# Altium PCB clock_core_PCB.PcbDoc (part 3 of 3)
Units mm, origin at the board's own origin, x right, y up, seen from the top; angles counter-clockwise.
Board outline 163.83 x 199.04 mm, 2 copper layers (Top Layer, Bottom Layer), stack 1.571 mm thick; 144 components, 217 nets, 791 pads, 447 vias.
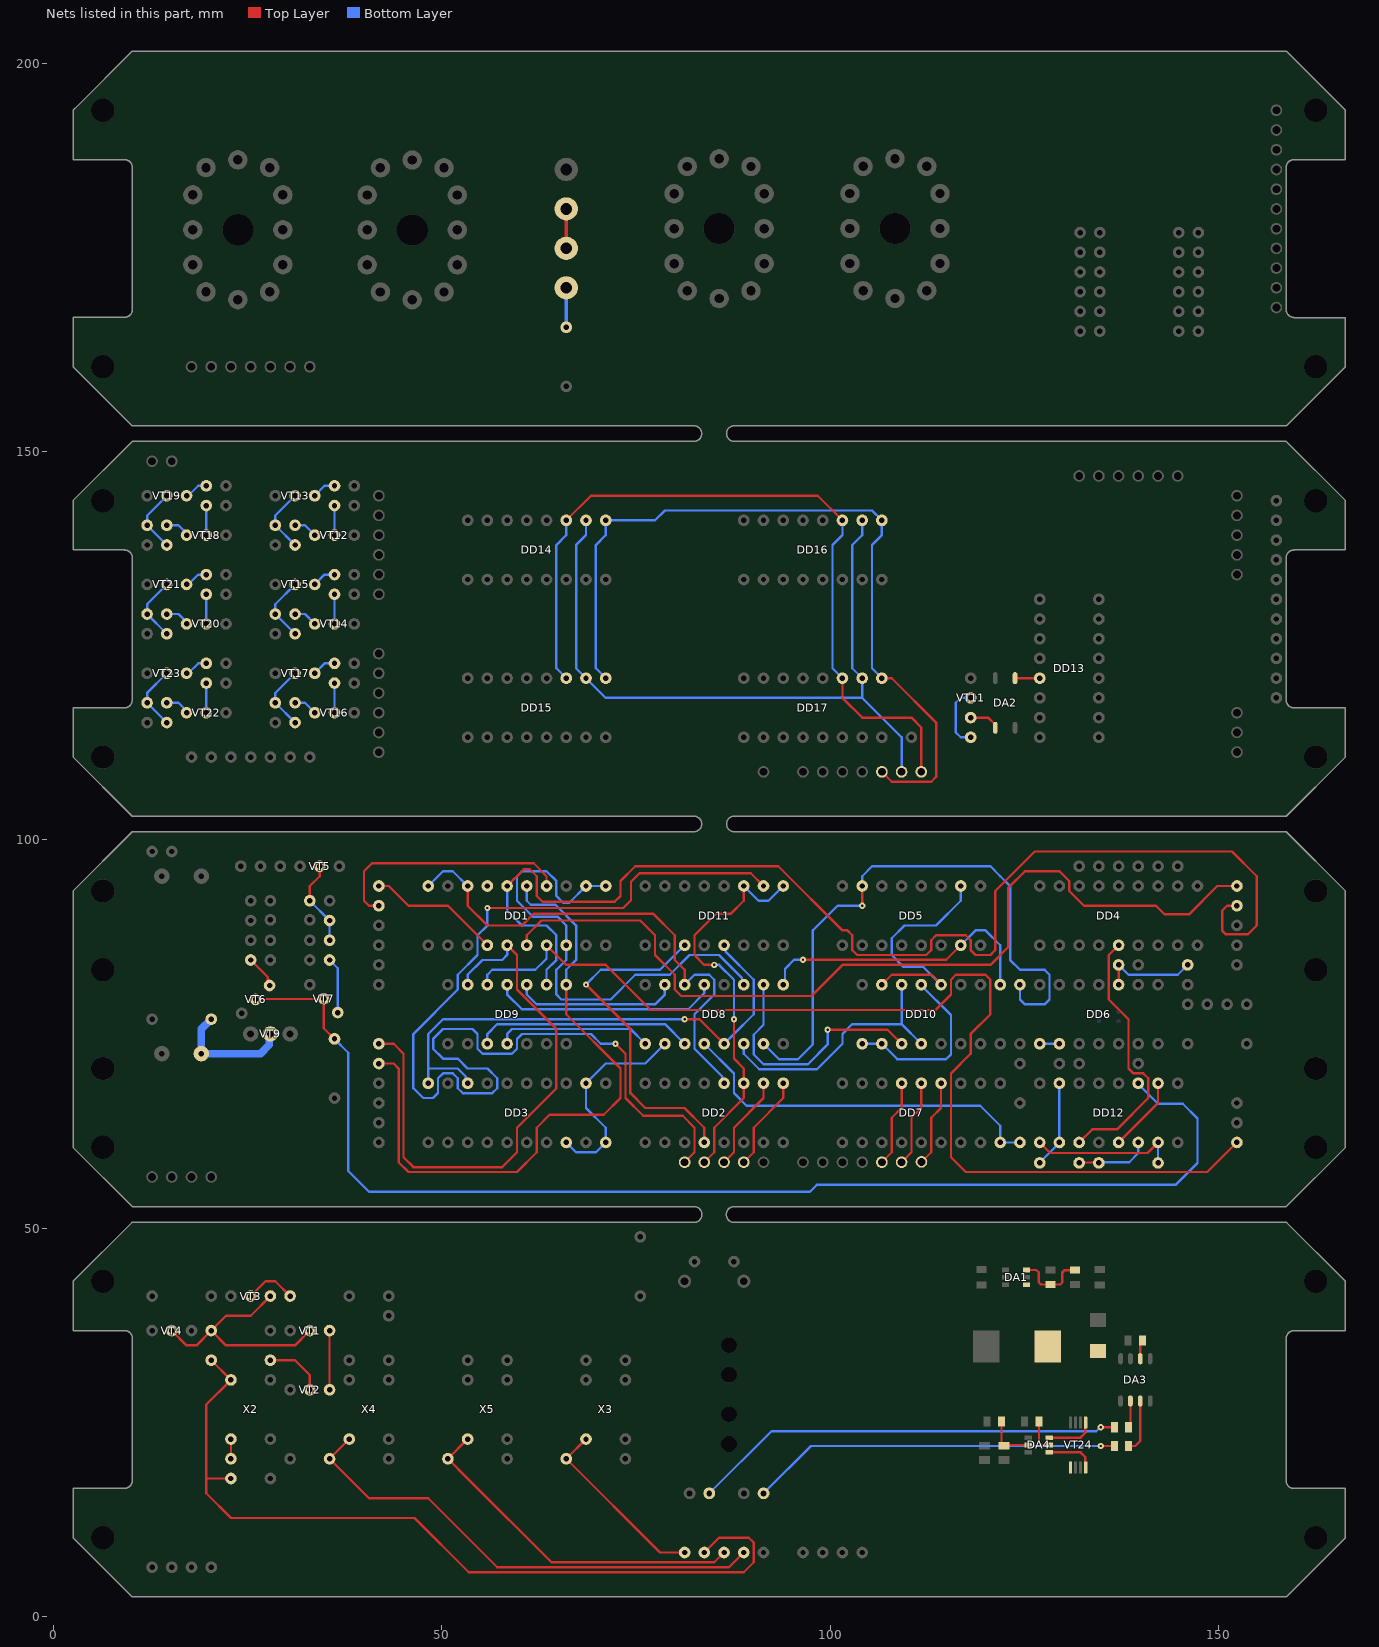
[diagram p3: the nets of this part, all layers, seen from the top]

## Via types
v1: diameter 0.8, hole 0.3, Top Layer to Bottom Layer, tented both sides, 384 vias
v2: diameter 1, hole 0.5, Top Layer to Bottom Layer, tented both sides, 63 vias

## Nets (pads, with @x,y where several pads share a name; then routed paths per layer and width w, separated by ;. In a path a pad name is that pad's centre, name@x,y a point inside that pad or via, vN(x,y) a via of type N, cw(c..) or ccw(c..) an arc to the next point about the centre after c; other vN are vias at no path point) (continued)
NetC13_1: C13.1 R22.1 R26.2 VT5.2 | length 11.1
  Top Layer w0.3: C13.1@33.02,92.17 33.02,94.075 34.29,95.345 VT5.2@34.29,96.615
  Bottom Layer w0.3: C13.1@33.02,92.17 R22.1@35.56,89.63 R26.2@35.56,87.09
NetC15_1: C15.1 DD12.6 R33.2 | length 9.5
  Top Layer w0.3: C15.1@132.08,58.42 132.128,58.468 134.572,58.468 R33.2@134.62,58.515
  Bottom Layer w0.3: R33.2@134.62,58.515 138.525,58.515 139.7,59.69 DD12.6@139.7,61.055
NetC15_2: C15.2 DD12.2 DD12.15 | length 11.3
  Bottom Layer w0.3: C15.2@127,58.42 127,58.468 129.54,61.007 DD12.2@129.54,61.055 DD12.15@129.54,68.675
NetC16_2: C16.2 DA4.5 R64.1 | length 6.4
  Top Layer w0.3: R64.1@122.083,25.146 122.083,22.352 C16.2@122.428,22.007 122.519,22.098 DA4.5@125.523,22.098
NetDA1_1: DA1.1 L1.2 VD1.2
NetDA1_3: DA1.3 R6.1 R7.2 | length 9.3
  Top Layer w0.3: DA1.3@125.302,44.638 126.558,44.638 126.873,44.323 126.873,43.053 127.163,42.763 R7.2@128.397,42.763 129.631,42.763 129.921,43.053 129.921,44.323 130.211,44.613 R6.1@131.572,44.613
NetDA2_1: DA2.1 VT11.1 | length 3.9
  Top Layer w0.3: VT11.1@118.11,115.76 120.364,115.76 121.285,114.839 DA2.1@121.285,114.45
NetDA2_3: DA2.3 DD13.5 | length 6.3
  Top Layer w0.3: DA2.3@123.825,120.8 DD13.5@127,120.8 ; DA2.3@123.825,120.84 DD13.5@127,120.84
NetDA3_2: DA3.2 R62.2 | length 2.5
  Top Layer w0.3: DA3.2@139.954,33.205 139.954,35.27 R62.2@140.244,35.56
NetDA3_6: DA3.6 R60.2 | length 3.7
  Top Layer w0.3: R60.2@138.466,24.184 R60.2@138.466,24.384 138.684,24.602 DA3.6@138.684,27.755
NetDA3_7: DA3.7 R61.2 | length 7.1
  Top Layer w0.3: R61.2@138.466,22.171 R61.2@138.466,21.971 139.319,21.971 139.954,22.606 DA3.7@139.954,27.755
NetDA4_1: DA4.1 VT24.G1 | length 6.2
  Top Layer w0.3: DA4.1@128.223,21.148 132.268,21.148 132.878,20.538 132.878,19.268 VT24.G1@132.928,19.218
NetDA4_2: DA4.2 R63.2 | length 4.2
  Top Layer w0.3: R63.2@126.909,25.146 126.909,22.443 127.254,22.098 DA4.2@128.223,22.098
NetDA4_3: DA4.3 VT24.G2 | length 6.2
  Top Layer w0.3: DA4.3@128.223,23.048 132.268,23.048 132.878,23.658 132.878,24.928 VT24.G2@132.928,24.978
NetDD2_4: DD2.4 DD11.3 | length 44.4
  Top Layer w0.3: v1(68.58,81.375) 74.295,75.66 74.295,67.405 76.2,65.5 81.28,65.5 83.82,62.96 DD2.4@83.82,61.055
  Bottom Layer w0.3: v1(68.58,81.375) 70.485,83.28 78.105,83.28 DD11.3@81.28,86.455
NetDD4_5: DD4.5 DD12.3 | length 34.3
  Top Layer w0.3: DD12.3@132.08,61.055 133.763,62.738 136.938,62.738 140.97,66.77 140.97,69.31 140.335,69.945 139.065,69.945 138.43,70.58 138.43,76.93 135.89,79.47 135.89,85.185 DD4.5@137.16,86.455
NetDD6_1: DD6.1 DD6.2 | length 2.5
  Bottom Layer w0.3: DD6.1@127,73.755 DD6.2@129.54,73.755
NetDD6_10: DD6.10 R12.2 R14.1 | length 12.5
  Top Layer w0.3: DD6.10@137.16,81.375 R14.1@137.16,83.915
  Bottom Layer w0.3: R14.1@137.16,83.915 138.43,82.645 144.78,82.645 R12.2@146.05,83.915
NetDD8_1: DD8.1 DD9.4 | length 20.1
  Bottom Layer w0.3: DD9.4@58.42,73.755 58.42,75.025 59.055,75.66 74.295,75.66 DD8.1@76.2,73.755
NetDD8_3: DD8.3 DD9.3 | length 28.2
  Bottom Layer w0.3: DD9.3@55.88,73.755 55.88,75.025 57.15,76.295 78.74,76.295 DD8.3@81.28,73.755
NetDD8_10: DD8.10 DD10.3 | length 32.8
  Top Layer w0.3: v1(99.695,75.565) 107.41,75.565 DD10.3@109.22,73.755
  Bottom Layer w0.3: DD8.10@91.44,81.375 91.44,76.2 90.17,74.93 90.17,72.39 91.44,71.12 97.155,71.12 99.695,73.66 v1(99.695,75.565)
NetDD8_13: DD8.13 DD9.11 | length 29.4
  Bottom Layer w0.3: DD9.11@58.42,81.375 58.42,80.105 60.325,78.2 81.739,78.2 83.82,80.281 DD8.13@83.82,81.375
NetDD8_15: DD8.15 DD9.10 | length 21.4
  Bottom Layer w0.3: DD9.10@60.96,81.375 60.96,80.105 62.23,78.835 77.47,78.835 78.74,80.105 DD8.15@78.74,81.375
NetDD10_1: DD10.1 DD10.2 DD10.11 | length 23.1
  Bottom Layer w0.3: DD10.1@104.14,73.755 DD10.2@106.68,73.755 108.68,71.755 114.935,71.755 115.57,72.39 115.57,77.47 111.76,81.28 DD10.11@111.76,81.375
NetDD12_1: DD12.1 DD12.7 R33.1 | length 18.9
  Top Layer w0.3: DD12.1@127,61.055 128.365,59.69 140.875,59.69 DD12.7@142.24,61.055
  Bottom Layer w0.3: R33.1@142.24,58.515 DD12.7@142.24,61.055
NetDD12_5: DD12.5 DD12.10 | length 9.7
  Top Layer w0.3: DD12.5@137.16,61.055 142.24,66.135 DD12.10@142.24,68.675
NetDD12_11: DD12.11 R24.2 VT6.2 VT7.2 | length 159.7
  Top Layer w0.3: VT6.2@26.035,79.47 26.089,79.524 34.762,79.524 VT7.2@34.816,79.579 34.816,75.769 R24.2@36.195,74.39
  Bottom Layer w0.3: R24.2@36.195,74.39 37.973,72.612 37.973,57.372 40.64,54.705 97.409,54.705 98.298,55.594 144.494,55.594 147.32,58.42 147.32,64.135 145.415,66.04 142.24,66.04 139.7,68.58 DD12.11@139.7,68.675 DD12.11@139.605,68.675
NetHG3_1: HG3.1 R59.2 | length 5.1
  Bottom Layer w0.5: R59.2@66.04,166.02 HG3.1@66.04,171.1
NetHG3_2: HG3.2 HG4.1 | length 5.1
  Top Layer w0.5: HG3.2@66.04,176.18 HG4.1@66.04,181.26
NetL2_2: L2.2 VD2.2 VT9.2 | length 15.7
  Bottom Layer w1: VD2.2@20.32,76.93 19.05,75.66 L2.2@19.05,72.485 26.67,72.485 27.807,73.622 27.807,74.892 VT9.2@27.94,75.025
NetR1_2: R1.2 X2.4 | length 2.5
  Top Layer w0.3: R1.2@22.86,20.32 X2.4@22.86,22.86
NetR2_2: R2.2 VT2.2 | length 7.8
  Top Layer w0.3: R2.2@27.94,33.02 31.115,33.02 33.02,31.115 VT2.2@33.02,29.21
NetR4_2: R4.2 VT3.2 | length 6.7
  Top Layer w0.3: VT3.2@25.4,41.275 27.305,43.18 28.575,43.18 R4.2@30.48,41.275
NetR5_2: R5.2 VT1.2 VT3.1 VT4.2 | length 30.4
  Top Layer w0.3: VT4.2@15.24,36.83 17.145,34.925 18.415,34.925 R5.2@20.32,36.83 ; VT3.1@27.94,41.275 25.4,38.735 22.225,38.735 R5.2@20.32,36.83 ; VT1.2@33.02,36.83 31.115,34.925 22.225,34.925 R5.2@20.32,36.83
NetR23_1: R23.1 VT6.3 | length 4.3
  Top Layer w0.3: R23.1@25.4,84.55 27.597,82.353 VT6.3@27.597,81.5
  Bottom Layer w0.3: VT6.3@27.597,81.5 VT6.3@27.831,81.266
NetR26_1: R26.1 VT7.3 | length 7.2
  Bottom Layer w0.3: R26.1@35.56,84.55 36.612,83.498 VT7.3@36.612,77.783
NetR34_2: R34.2 VT11.2 | length 8.1
  Bottom Layer w0.3: R34.2@118.11,113.22 116.84,113.22 116.205,113.855 116.205,117.665 116.84,118.3 VT11.2@118.11,118.3
NetR35_2: R35.2 VT12.2 | length 3.8
  Bottom Layer w0.3: VT12.2@36.195,139.255 R35.2@36.195,143.065
NetR36_1: R36.1 R37.2 VT13.2 | length 8.8
  Bottom Layer w0.3: R36.1@31.115,137.35 R36.1@31.115,137.668 ; R36.1@31.115,137.985 R37.2@28.575,140.525 28.575,141.795 VT13.2@31.115,144.335
NetR37_1: R37.1 VT12.3 | length 3.1
  Bottom Layer w0.3: R37.1@31.115,140.525 32.385,140.525 VT12.3@33.655,139.255
NetR38_2: R38.2 VT13.3 | length 3.7
  Bottom Layer w0.3: VT13.3@33.655,144.335 34.925,145.605 R38.2@36.816,145.605
NetR39_2: R39.2 VT14.2 | length 3.8
  Bottom Layer w0.3: VT14.2@36.195,127.825 R39.2@36.195,131.635
NetR40_1: R40.1 R41.2 VT15.2 | length 8.5
  Bottom Layer w0.3: R40.1@31.115,126.555 R41.2@28.575,129.095 28.575,130.365 VT15.2@31.115,132.905
NetR41_1: R41.1 VT14.3 | length 3.1
  Bottom Layer w0.3: R41.1@31.115,129.095 32.385,129.095 VT14.3@33.655,127.825
NetR42_2: R42.2 VT15.3 | length 2.9
  Bottom Layer w0.3: VT15.3@33.655,132.905 34.925,134.175 R42.2@36.073,134.175
NetR43_2: R43.2 VT16.2 | length 3.8
  Bottom Layer w0.3: VT16.2@36.195,116.395 R43.2@36.195,120.205
NetR44_1: R44.1 R45.2 VT17.2 | length 8.5
  Bottom Layer w0.3: R44.1@31.115,115.125 R45.2@28.575,117.665 28.575,118.935 VT17.2@31.115,121.475
NetR45_1: R45.1 VT16.3 | length 3.1
  Bottom Layer w0.3: R45.1@31.115,117.665 32.385,117.665 VT16.3@33.655,116.395
NetR46_2: R46.2 VT17.3 | length 3.7
  Bottom Layer w0.3: VT17.3@33.655,121.475 34.925,122.745 R46.2@36.792,122.745
NetR47_2: R47.2 VT18.2 | length 3.8
  Bottom Layer w0.3: VT18.2@19.685,139.255 R47.2@19.685,143.065
NetR48_1: R48.1 R49.2 VT19.2 | length 8.5
  Bottom Layer w0.3: R48.1@14.605,137.985 R49.2@12.065,140.525 12.065,141.754 14.605,144.294 VT19.2@14.605,144.335
NetR49_1: R49.1 VT18.3 | length 3.1
  Bottom Layer w0.3: R49.1@14.83,140.525 16.1,140.525 VT18.3@17.37,139.255
NetR50_2: R50.2 VT19.3 | length 3.4
  Bottom Layer w0.3: VT19.3@17.37,144.335 18.64,145.605 R50.2@20.267,145.605
NetR51_2: R51.2 VT20.2 | length 3.8
  Bottom Layer w0.3: VT20.2@19.685,127.825 R51.2@19.685,131.635
NetR52_1: R52.1 R53.2 VT21.2 | length 8.5
  Bottom Layer w0.3: R52.1@14.605,126.555 R53.2@12.065,129.095 12.065,130.365 VT21.2@14.605,132.905
NetR53_1: R53.1 VT20.3 | length 3.1
  Bottom Layer w0.3: R53.1@14.83,129.095 16.1,129.095 VT20.3@17.37,127.825
NetR54_2: R54.2 VT21.3 | length 3.4
  Bottom Layer w0.3: VT21.3@17.37,132.905 18.64,134.175 R54.2@20.215,134.175
NetR55_2: R55.2 VT22.2 | length 3.8
  Bottom Layer w0.3: VT22.2@19.685,116.395 R55.2@19.685,120.205
NetR56_1: R56.1 R57.2 VT23.2 | length 8.5
  Bottom Layer w0.3: R56.1@14.605,115.125 R57.2@12.065,117.665 12.065,118.935 VT23.2@14.605,121.475
NetR57_1: R57.1 VT22.3 | length 3.1
  Bottom Layer w0.3: R57.1@14.83,117.665 16.1,117.665 VT22.3@17.37,116.395
NetR58_2: R58.2 VT23.3 | length 2.8
  Bottom Layer w0.3: VT23.3@17.37,121.475 18.64,122.745 R58.2@19.685,122.745
NetR60_1: R60.1 VD3.1 | length 55.7
  Top Layer w0.3: v1(134.874,24.384) R60.1@136.616,24.384
  Bottom Layer w0.3: VD3.1@84.455,15.875 92.456,23.876 134.294,23.876 134.802,24.384 v1(134.874,24.384)
NetR61_1: R61.1 VD4.1 | length 47.7
  Top Layer w0.3: v1(134.874,21.971) R61.1@136.616,21.971
  Bottom Layer w0.3: VD4.1@91.44,15.875 97.536,21.971 v1(134.874,21.971)
NetVT1_1: VT1.1 VT2.3 | length 7.6
  Top Layer w0.3: VT2.3@35.56,29.21 VT1.1@35.56,36.83
NetVT24_5: VT24.D12@130.978,19.218
Res_h: DD5.7 DD8.9 R32.1 | length 37.8
  Top Layer w0.3: v1(96.52,84.582) 98.824,84.582 114.967,84.582 DD5.7@116.84,86.455
  Bottom Layer w0.3: DD8.9@93.98,81.375 94.195,81.59 94.195,83.4 95.377,84.582 v1(96.52,84.582) ; DD5.7@116.84,86.455 118.745,88.36 120.015,88.36 121.92,86.455 R32.1@121.92,81.375
Res_h1: DD5.10 DD10.10 DD10.13 | length 31.6
  Top Layer w0.3: DD10.13@106.68,81.375 107.95,82.645 113.03,82.645 DD10.10@114.3,81.375
  Bottom Layer w0.3: DD10.10@114.3,81.375 112.014,83.661 109.474,83.661 107.95,85.185 107.95,87.344 109.601,88.995 113.665,88.995 116.84,92.17 DD5.10@116.84,94.075
Res_h10: DD8.6 DD10.4 DD10.12 | length 34.2
  Bottom Layer w0.3: DD8.6@88.9,73.755 88.9,72.485 90.9,70.485 98.33,70.485 101.6,73.755 101.6,75.025 102.87,76.295 106.68,76.295 109.22,76.295 ; DD10.12@109.22,81.375 109.22,76.295 ; DD10.4@111.76,73.755 109.22,76.295
Res_h10_t: DD5.15 DD8.7 R31.2 | length 79.6
  Top Layer w0.3: v1(104.14,91.535) DD5.15@104.14,94.075
  Bottom Layer w0.3: DD8.7@91.44,73.755 93.44,71.755 95.885,71.755 97.79,73.66 97.79,88.36 100.965,91.535 v1(104.14,91.535) ; DD5.15@104.14,94.075 104.14,95.345 105.41,96.615 120.65,96.615 121.92,95.345 123.19,94.075 123.19,84.55 124.46,83.28 127.635,83.28 128.27,82.645 128.27,79.47 127.635,78.835 125.095,78.835 124.46,79.47 R31.2@124.46,81.375
Res_m1_t: DD3.7 DD3.9 DD8.2 R20.1 | length 27.1
  Bottom Layer w0.3: DD3.7@66.04,61.055 67.31,59.785 69.85,59.785 R20.1@71.12,61.055 71.12,62.96 68.58,65.5 DD3.9@68.58,68.675 71.12,71.215 76.2,71.215 DD8.2@78.74,73.755
Res_m10_t: DD3.15 DD8.5 DD11.5 R30.1 | length 68.7
  Top Layer w0.3: v1(81.28,76.93) 83.185,76.93 DD8.5@86.36,73.755
  Bottom Layer w0.3: R30.1@48.26,68.675 48.26,70.58 ; DD3.15@53.34,68.675 53.106,68.909 53.106,69.544 52.07,70.58 48.26,70.58 ; v1(81.28,76.93) 50.165,76.93 48.26,75.025 48.26,70.58 ; DD8.5@86.36,73.755 87.63,75.025 90.17,77.565 90.17,82.01 86.594,85.586 86.594,86.221 DD11.5@86.36,86.455
Res_s1_t: DD1.7 DD1.9 DD8.11 R19.1 | length 65
  Bottom Layer w0.3: R19.1@71.755,94.075 R19.1@71.12,94.075 DD1.9@68.58,94.075 66.421,91.916 65.659,91.916 64.77,92.805 64.77,94.71 63.5,95.98 60.325,95.98 59.69,95.345 59.69,92.17 61.722,90.138 64.897,90.138 66.04,88.995 DD1.7@66.04,86.455 66.04,84.55 64.77,83.28 64.77,80.105 65.405,79.47 71.755,79.47 74.93,82.645 79.375,82.645 81.915,85.185 85.725,85.185 88.666,82.244 88.666,81.609 DD8.11@88.9,81.375
Res_s10_t: DD1.15 DD2.12 DD8.14 R29.1 | length 66.1
  Top Layer w0.3: DD1.15@53.34,94.075 53.34,91.535 55.88,88.995 60.325,88.995 61.849,90.519 77.216,90.519 80.01,87.725 80.01,84.55 81.28,83.28 DD8.14@81.28,81.375
  Bottom Layer w0.3: R29.1@48.26,94.075 50.165,95.98 51.435,95.98 DD1.15@53.34,94.075 ; DD8.14@81.28,81.375 82.55,82.645 84.455,82.645 85.09,82.01 85.09,80.105 82.55,77.565 82.55,73.12 86.126,69.544 86.126,68.909 DD2.12@86.36,68.675
RESET_SIG: C11.1 DD8.4 R16.2 | length 48.7
  Bottom Layer w0.3: DD8.4@83.82,73.755 87.63,69.945 87.63,67.405 89.249,65.786 119.348,65.786 121.92,63.214 R16.2@121.92,61.055 C11.1@124.46,61.055
S1_Q1: DD1.3 pad.@41.91,94.075 | length 17.1
  Top Layer w0.3: pad.@41.91,94.075 43.18,94.075 45.72,91.535 50.8,91.535 DD1.3@55.88,86.455
S1_Q2: DD1.4 DD9.13 pad.@41.91,73.755 | length 73
  Top Layer w0.3: pad.@41.91,73.755 43.815,73.755 45.085,72.485 45.085,59.15 46.355,57.88 57.785,57.88 59.69,59.785 59.69,62.96 64.77,68.04 64.77,75.66 59.69,80.74 59.69,85.185 DD1.4@58.42,86.455
  Bottom Layer w0.3: DD9.13@53.34,81.375 53.34,82.645 55.245,84.55 57.785,84.55 58.42,85.185 DD1.4@58.42,86.455
S1_Q3: DD1.5 pad.@152.4,94.075 | length 115.8
  Top Layer w0.3: DD1.5@60.96,86.455 60.96,87.725 62.865,89.63 75.565,89.63 77.47,87.725 77.47,85.185 80.01,82.645 80.01,80.74 80.835,79.915 97.6,79.915 101.6,83.915 120.65,83.915 122.936,86.201 122.936,93.821 125.095,95.98 129.54,95.98 130.81,94.71 130.81,93.44 132.715,91.535 141.986,91.535 143.097,90.424 146.209,90.424 149.86,94.075 pad.@152.4,94.075
S1_Q4: DD1.6 DD9.12 pad.@152.4,61.055 | length 139.8
  Top Layer w0.3: DD1.6@63.5,86.455 66.04,83.915 71.12,83.915 76.93,78.105 113.57,78.105 115.57,80.105 115.57,82.01 116.205,82.645 120.015,82.645 120.65,82.01 120.65,77.565 118.11,75.025 118.11,72.485 115.57,69.945 115.57,59.15 117.475,57.245 148.59,57.245 pad.@152.57,61.225
  Bottom Layer w0.3: DD9.12@55.88,81.375 55.88,82.645 56.515,83.28 62.054,83.28 63.324,84.55 63.5,84.726 DD1.6@63.5,86.455
S10_Q1: DD1.11 pad.@41.91,91.535 | length 31.8
  Top Layer w0.3: pad.@41.91,91.535 40.64,91.535 40.005,92.17 40.005,95.98 41.021,96.996 61.849,96.996 63.5,95.345 DD1.11@63.5,94.075
S10_Q2: DD1.12 DD9.8 pad.@41.91,71.215 | length 85
  Top Layer w0.3: pad.@41.91,71.215 43.815,71.215 44.45,70.58 44.45,58.515 45.72,57.245 59.69,57.245 62.23,59.785 62.23,62.96 63.881,64.611 70.866,64.611 73.025,66.77 73.025,70.58 66.04,77.565 DD9.8@66.04,81.375
  Bottom Layer w0.3: DD1.12@60.96,94.075 60.96,92.17 61.468,91.662 64.643,91.662 67.31,88.995 67.31,84.55 66.04,83.28 DD9.8@66.04,81.375
S10_Q3: DD1.13 DD9.9 pad.@152.4,91.535 | length 158.3
  Top Layer w0.3: DD1.13@58.42,94.075 60.579,96.234 61.341,96.234 62.23,95.345 62.23,92.805 62.992,92.043 72.263,92.043 73.025,92.805 73.025,94.71 74.93,96.615 93.345,96.615 101.6,88.36 102.235,88.36 102.87,87.725 102.87,85.82 103.505,85.185 112.395,85.185 113.03,85.82 113.03,87.09 113.665,87.725 117.475,87.725 118.11,87.09 118.11,85.82 118.745,85.185 120.65,85.185 121.285,85.82 121.285,93.44 126.365,98.52 151.765,98.52 154.94,95.345 154.94,88.995 153.794,87.849 151.006,87.849 150.495,88.36 150.495,90.9 151.13,91.535 pad.@152.4,91.535
  Bottom Layer w0.3: DD1.13@58.42,94.075 58.42,90.9 60.325,88.995 63.5,88.995 64.77,87.725 64.77,84.55 63.5,83.28 DD9.9@63.5,81.375
S10_Q4: DD1.14
Set_hor: DD2.9 pad.@88.9,58.515 | length 12.3
  Top Layer w0.3: pad.@88.9,58.515 90.17,59.785 90.17,62.96 93.98,66.77 DD2.9@93.98,68.675
SET_HOR_C: pad.@88.9,8.255 R10.2 X4.4 | length 63.5
  Top Layer w0.3: X4.4@38.1,22.86 R10.2@35.56,20.32 40.64,15.24 48.26,15.24 57.15,6.35 86.995,6.35 pad.@88.9,8.255
Set_min: DD2.10 pad.@86.36,58.515 | length 12.3
  Top Layer w0.3: pad.@86.36,58.515 87.63,59.785 87.63,62.96 91.44,66.77 DD2.10@91.44,68.675
SET_MIN_C: pad.@86.36,8.255 R11.2 X5.4 | length 45.2
  Top Layer w0.3: X5.4@53.34,22.86 R11.2@50.8,20.32 53.34,17.78 64.135,6.985 85.09,6.985 pad.@86.36,8.255
Set_sec: DD11.10 pad.@81.28,58.515 | length 146.6
  Top Layer w0.3: v1(55.88,91.25) 73.375,91.25 74.369,92.244 74.369,94.636 75.459,95.726 89.789,95.726 DD11.10@91.44,94.075 ; v1(72.39,73.755) 73.66,72.485 73.66,66.77 75.946,64.484 81.026,64.484 82.55,62.96 82.55,59.785 pad.@81.28,58.515
  Bottom Layer w0.3: v1(55.88,91.25) 55.88,88.995 54.61,87.725 54.61,85.185 52.07,82.645 52.07,80.74 46.355,75.025 46.355,68.04 47.625,66.77 48.895,66.77 49.53,67.405 49.53,69.31 50.165,69.945 51.435,69.945 52.07,69.31 52.07,68.04 52.705,67.405 56.515,67.405 57.15,68.04 57.15,69.31 55.88,70.58 53.34,70.58 52.07,71.85 50.165,71.85 48.895,73.12 48.895,74.39 50.165,75.66 53.975,75.66 54.61,75.025 54.61,73.12 55.245,72.485 59.055,72.485 59.69,73.12 59.69,74.39 60.325,75.025 69.215,75.025 70.485,73.755 v1(72.39,73.755)
SET_SEC_C: pad.@81.28,8.255 R9.2 X3.4 | length 23.8
  Top Layer w0.3: X3.4@68.58,22.86 R9.2@66.04,20.32 78.105,8.255 pad.@81.28,8.255
Set_time: DD2.11 DD11.9 DD11.11 pad.@83.82,58.515 | length 51.8
  Top Layer w0.3: pad.@83.82,58.515 85.09,59.785 85.09,62.96 88.9,66.77 DD2.11@88.9,68.675 88.9,70.58 87.63,71.85 v1(87.63,76.93) ; v1(85.09,83.915) 83.82,83.915 82.55,85.185 82.55,87.725 85.344,90.519 87.249,90.519 88.9,92.17 DD11.11@88.9,94.075
  Bottom Layer w0.3: v1(85.09,83.915) 85.725,83.915 87.63,82.01 v1(87.63,76.93) ; DD11.11@88.9,94.075 90.805,92.17 92.075,92.17 DD11.9@93.98,94.075
SET_TIME_C: C2.1 pad.@83.82,8.255 R2.1 X2.3 | length 107.8
  Top Layer w0.3: R2.1@20.32,33.02 X2.3@22.86,30.48 19.685,27.305 19.685,17.78 ; C2.1@22.86,17.78 19.685,17.78 ; pad.@83.82,8.255 85.725,10.16 89.535,10.16 90.17,9.525 90.17,6.985 88.9,5.715 53.47,5.715 46.485,12.7 22.86,12.7 19.685,15.875 19.685,17.78
X1: DD7.11 pad.@111.777,58.552 | length 11.2
  Top Layer w0.3: pad.@111.76,58.515 113.03,59.785 113.03,64.23 114.3,65.5 DD7.11@114.3,68.675
X1_M: DD14.11 DD15.11 DD16.11 DD17.11 pad.@111.76,108.775 | length 100.9
  Top Layer w0.3: DD14.11@66.04,141.16 69.215,144.335 98.425,144.335 DD16.11@101.6,141.16 ; DD17.11@101.6,120.84 101.6,118.3 104.14,115.76 110.49,115.76 111.76,114.49 pad.@111.76,108.775
  Bottom Layer w0.3: DD15.11@66.04,120.84 64.77,122.11 64.77,137.985 66.04,139.255 DD14.11@66.04,141.16 ; DD17.11@101.6,120.84 100.33,122.11 100.33,137.985 101.6,139.255 DD16.11@101.6,141.16
X2: DD7.12 pad.@109.22,58.515 | length 11.2
  Top Layer w0.3: pad.@109.22,58.515 110.49,59.785 110.49,64.23 111.76,65.5 DD7.12@111.76,68.675
X2_M: DD14.10 DD15.10 DD16.10 DD17.10 pad.@109.22,108.775 | length 93.5
  Bottom Layer w0.3: DD14.10@68.58,141.16 68.58,139.255 67.31,137.985 67.31,122.11 DD15.10@68.58,120.84 71.12,118.3 104.14,118.3 ; DD16.10@104.14,141.16 104.14,139.255 102.87,137.985 102.87,122.11 DD17.10@104.14,120.84 104.14,118.3 ; pad.@109.22,108.775 109.22,113.22 104.14,118.3
X3: DD7.13 pad.@106.68,58.515 | length 11.2
  Top Layer w0.3: pad.@106.68,58.515 107.95,59.785 107.95,64.23 109.22,65.5 DD7.13@109.22,68.675
X3_M: DD14.9 DD15.9 DD16.9 DD17.9 pad.@106.68,108.775 | length 103.5
  Top Layer w0.3: pad.@106.68,108.775 107.95,107.505 113.03,107.505 113.665,108.14 113.665,115.125 107.95,120.84 DD17.9@106.68,120.84
  Bottom Layer w0.3: DD15.9@71.12,120.84 69.85,122.11 69.85,137.985 71.12,139.255 DD14.9@71.12,141.16 77.47,141.16 78.74,142.43 105.41,142.43 DD16.9@106.68,141.16 106.68,139.255 105.41,137.985 105.41,122.11 DD17.9@106.68,120.84
pads on no net: DA1.6 DA4.4 DD4.6 DD4.9 DD4.11 DD4.12 DD6.8 DD6.11 DD6.12 DD6.13 DD7.3 DD7.4 DD7.5 DD7.6 DD7.14 HG1. HG1.3 HG1.4 HG1.5 HG1.6 HG1.7 HG1.8 HG1.9 HG1.12 HG2. HG2.12 HG5. HG5.3 HG5.12 HG6. HG6.12 HG7.8 HG7.9 HG7.10 HG7.11 HG7.12 HG8.12 VT24.D12@130.978,24.978 X1. X3.1 X4.1 X5.1

## Polygon pours and split planes (outlines as drawn)
5V_USB on Top Layer "NONET_L-01_P-001" (solid, pour order 14): 140.716,28.702 140.716,15.748 112.776,15.748 112.776,25.019 106.807,25.019 106.807,21.463 109.728,21.463 109.728,6.985 141.732,6.985 141.732,28.702
5V_C on Top Layer "5V_C_L01_P006" (solid, pour order 6): 158.75,50.8 10.16,50.8 2.54,43.18 22.86,43.18 26.67,46.99 136.398,46.99 136.398,43.18 130.683,43.18 130.683,37.338 142.24,37.338 142.24,6.604 99.949,6.604 99.949,9.144 95.631,9.144 95.631,2.54 158.75,2.54 166.37,10.16 166.37,16.51 158.75,16.51 158.75,36.83 166.37,36.83 166.37,43.18
GND_C on Top Layer "GND_C_L01_P002" (solid, pour order 2): 100.33,6.985 100.33,9.525 95.25,9.525 95.25,2.54 10.16,2.54 2.54,10.16 2.54,16.51 10.16,16.51 10.16,36.83 2.54,36.83 2.54,42.545 23.495,42.545 27.305,46.355 100.33,46.355 135.382,46.355 135.382,44.196 133.985,44.196 133.985,45.314 129.032,45.314 129.032,44.196 127.762,44.196 127.762,45.314 120.142,45.314 120.142,44.196 118.618,44.196 118.618,45.314 105.537,45.314 118.237,45.314 118.237,37.338 106.553,37.338 106.553,20.066 109.347,20.066 109.347,6.985
BAT_C on Top Layer "BAT_C_L01_P001" (solid, pour order 1): 120.294,43.129 120.294,28.575 137.795,28.575 137.795,26.924 120.65,26.924 120.65,21.463 118.638,21.463 118.638,32.766 106.934,32.766 106.934,36.83 118.638,36.83 118.638,43.129
NetDA1_1 on Top Layer "NETDA1_1_L01_P004" (solid, pour order 4): 125.73,43.118 125.73,36.895 129.794,36.895 129.794,35.052 135.382,35.052 135.382,32.831 129.794,32.831 124.841,32.831 124.841,43.118
BAT- on Top Layer "NONET_L-01_P-001" (solid, pour order 12): 132.461,20.066 132.461,16.256 113.665,16.256 113.665,27.559 106.807,27.559 106.807,31.115 116.967,31.115 116.967,19.05 121.793,19.05 121.793,20.701 125.095,20.701 125.095,21.463 125.857,21.463 125.984,21.336 125.984,17.653 131.445,17.653 131.445,20.066
GND_C on Top Layer "NONET_L-01_P-001" (solid, pour order 13): 131.445,24.13 131.445,26.035 129.667,26.035 129.667,24.13 128.143,24.13 128.143,26.67 132.461,26.67 132.461,24.13
GND_M on Top Layer "NONET_L-01_P-001" (solid, pour order 9): 2.54,117.03 2.54,110.68 10.16,103.06 158.75,103.06 166.37,110.68 166.37,117.03 158.75,117.03 158.75,137.35 166.37,137.35 166.37,143.7 158.75,151.32 10.16,151.32 2.54,143.7 2.54,137.35 10.16,137.35 10.16,117.03
GND on Top Layer "GND_L01_P000" (solid, pour order 0): 147.955,76.93 151.765,76.93 151.765,68.675 147.955,68.675
no net on Top Solder "NONET_L01_P-001" (solid): 109.601,27.178 109.601,31.496 106.553,31.496 106.553,27.178
no net on Top Solder "NONET_L01_P-001" (solid): 109.728,21.082 109.728,25.4 106.553,25.4 106.553,21.082
no net on Top Solder "NONET_L01_P-001" (solid): 109.728,16.002 109.728,20.32 106.553,20.32 106.553,16.002
no net on Top Solder "NONET_L-01_P-001" (solid): 130.683,25.908 133.223,25.908 133.223,24.003 130.683,24.003
no net on Top Solder "NONET_L-01_P-001" (solid): 130.683,20.193 133.223,20.193 133.223,18.288 130.683,18.288
no net on Top Solder "NONET_L01_P-001" (solid): 109.601,32.385 109.601,37.211 106.553,37.211 106.553,32.385
no net on Top Solder "NONET_L-01_P-001" (solid): 147.828,77.057 151.892,77.057 151.892,68.548 147.828,68.548
GND_C on Bottom Layer "NONET_L-01_P-001" (solid, pour order 7): 2.54,43.18 2.54,36.83 10.16,36.83 10.16,16.51 2.54,16.51 2.54,10.16 10.16,2.54 158.75,2.54 166.37,10.16 166.37,16.51 158.75,16.51 158.75,36.83 166.37,36.83 166.37,43.18 158.75,50.8 120.015,50.8 114.3,50.8 114.3,38.735 119.38,38.735 119.38,31.115 114.3,31.115 114.3,50.8 10.16,50.8
BAT_C on Bottom Layer "NONET_L-01_P-001" (solid, pour order 17): 114.554,38.354 114.554,31.496 119.126,31.496 119.126,38.354
GND_M on Bottom Layer "NONET_L-01_P-001" (solid, pour order 8): 2.54,117.03 2.54,110.68 10.16,103.06 158.75,103.06 166.37,110.68 166.37,117.03 158.75,117.03 158.75,137.35 166.37,137.35 166.37,143.7 158.75,151.32 10.16,151.32 2.54,143.7 2.54,137.35 10.16,137.35 10.16,117.03

## Keep-outs
Keep-Out Layer:
  lines w0.254: 9.125,16.51 2.54,16.51 2.54,10.16 10.16,2.54 158.75,2.54 166.37,10.16 166.37,16.51 159.765,16.51 ; 9.14,36.835 2.54,36.835 2.54,43.18 10.112,50.752 ; 9.15,117.025 ccw(c9.15,118.025) 10.15,118.025 10.15,136.35 ; 9.15,187.61 2.54,187.61 2.54,193.96 3.175,194.595 10.16,201.58 158.75,201.58 166.37,193.96 166.37,187.625 159.725,187.625 ; 9.151,36.836 cw(c9.151,35.836) 10.151,35.836 ; 9.151,137.336 cw(c9.151,136.336) 10.151,136.336 ; 9.151,187.611 cw(c9.151,186.611) 10.151,186.611 ; 9.161,16.524 ccw(c9.161,17.524) 10.161,17.524 10.15,35.85 ; 9.161,167.299 ccw(c9.161,168.299) 10.161,168.299 ; 9.175,117.03 2.54,117.03 2.54,110.68 10.16,103.06 ; 9.2,137.35 2.54,137.35 2.54,143.7 10.165,151.325 82.45,151.325 ; 9.2,167.29 2.54,167.29 2.54,160.94 10.16,153.32 ; 10.1,50.75 82.475,50.75 ccw(c82.475,51.775) 82.475,52.8 ; 10.135,153.325 82.475,153.325 ; 10.15,101.05 82.525,101.05 ; 10.16,101.06 2.54,93.44 2.54,60.42 10.16,52.8 82.5,52.8 ; 10.175,168.3 10.175,186.625 ; 10.21,103.05 82.55,103.05 ; 82.475,101.067 ccw(c82.475,102.067) 82.475,103.067 ; 82.475,151.334 ccw(c82.475,152.334) 82.475,153.334 ; 87.625,151.325 158.745,151.325 166.37,143.7 166.37,137.35 159.725,137.35 ; 87.65,50.75 158.8,50.75 166.37,43.18 166.37,36.83 159.78,36.83 ; 87.65,153.325 158.725,153.325 ; 87.675,50.75 cw(c87.675,51.775) 87.675,52.8 158.75,52.8 166.37,60.42 166.37,93.44 158.76,101.05 87.7,101.05 ; 87.675,101.067 cw(c87.675,102.067) 87.675,103.067 ; 87.675,151.334 cw(c87.675,152.334) 87.675,153.334 ; 87.725,103.05 158.725,103.05 158.74,103.05 166.37,110.68 166.37,117.03 159.761,117.03 ; 158.739,17.499 ccw(c159.739,17.499) 159.739,16.499 ; 158.739,168.299 ccw(c159.739,168.299) 159.739,167.299 ; 158.749,35.811 cw(c159.749,35.811) 159.749,36.811 ; 158.749,136.336 cw(c159.749,136.336) 159.749,137.336 ; 158.749,186.611 cw(c159.749,186.611) 159.749,187.611 ; 158.75,17.525 158.75,35.8 ; 158.75,136.35 158.75,118.046 ccw(c159.761,118.046) 159.761,117.035 ; 158.75,153.32 166.37,160.94 166.37,167.275 159.725,167.275 ; 158.75,168.25 158.75,186.625

## Other copper
Top Layer:
  pour cut-out: 76.708,49.276 74.422,49.276 cw(c75.078,49.382) 75.184,50.038 75.946,50.038 cw(c76.052,49.382)
  pour cut-out: 74.422,48.514 76.708,48.514 cw(c76.052,48.408) 75.946,47.752 75.184,47.752 cw(c75.078,48.408)
  pour cut-out: 108.458,16.002 108.458,16.256 109.347,16.256 109.347,16.002
  pour cut-out: 107.569,16.256 106.807,16.256 106.807,17.653 106.553,17.653 106.553,16.002 107.569,16.002
  pour cut-out: 106.807,20.066 106.807,18.669 106.553,18.669 106.553,20.066
Multi-Layer:
  pour cut-out: 2.54,143.7 10.16,151.32 23.643,151.32 26.148,148.314 ccw(c27.864,149.744) 27.864,147.51 40.64,147.51 cw(c40.64,144.97) 43.18,144.97 43.18,110.172 cw(c40.64,110.172) 40.64,107.632 39.37,107.632 38.862,108.138 38.608,108.138 38.102,107.632 16.256,107.632 15.748,108.138 15.486,108.138 14.986,107.632 5.588,107.632 2.54,110.68
  pour cut-out: 82.296,154.178 82.296,151.003 87.376,151.003 87.376,154.178
  pour cut-out: 82.55,103.505 82.55,100.33 87.63,100.33 87.63,103.505
  pour cut-out: 82.55,53.467 82.55,50.292 87.63,50.292 87.63,53.467

## Silkscreen, mask and mechanical layers (free items; w line width, h text height)
Top Overlay:
  drawing of 253 lines, arcs and shapes, not listed
  text "Kathodes" at 155.756,177.65 h0.7 r90
  text "Anodes" at 24.584,158.6 h0.7
  text "Clock_disp / Nixie clock V4.1" at 50.8,153.651 h1.5
  text "Digits ctrl" at 134.82,148.578 h0.7
  text "180V" at 17.345,148.345 h0.7
  text "CD4051" at 58.166,136.906 h1.52
  text "CD4051" at 93.726,136.906 h1.52
  text "Q3" at 150.295,133.105 h1.5 r90
  text "Q1" at 45.52,130.565 h1.5 r90
  text "Kathodes" at 155.756,127.39 h0.7 r90
  text "K155ID1" at 130.302,126.746 h1.52 r270
  text "CD4051" at 58.166,116.586 h1.52
  text "CD4051" at 93.726,116.586 h1.52
  text "Q2" at 45.52,110.245 h1.5 r90
  text "Q4" at 150.295,110.245 h1.5 r90
  text "Anodes" at 24.584,108.34 h0.7
  text "ON" at 91.005,106.435 h0.7
  text "5V" at 97.355,106.435 h0.7
  text "GND" at 101.8,106.435 h0.7
  text "Mux ctrl" at 106.88,106.435 h0.7
  text "Clock_mux / Nixie clock V4.1" at 50.8,103.391 h1.5
  text "Digits ctrl" at 134.82,98.318 h0.7
  text "180V" at 17.345,98.085 h0.7
  text "MC14520A" at 54.102,89.662 h1.52
  text "CD4053" at 80.518,89.662 h1.52
  text "MC14520A" at 104.902,89.662 h1.52
  text "CD4017" at 131.826,89.662 h1.52
  text "Q3" at 150.295,82.845 h1.5 r90
  text "Q1" at 45.52,80.305 h1.5 r90
  text "CD4011" at 54.61,76.962 h1.52
  text "CD4502" at 80.518,76.962 h1.52
  text "CD4011" at 107.95,76.962 h1.52
  text "K176IE5" at 130.302,76.962 h1.52
  text "MC14520A" at 54.102,64.262 h1.52
  text "CD4053" at 80.518,64.262 h1.52
  text "MC14520A" at 104.902,64.262 h1.52
  text "CD4502" at 131.318,64.262 h1.52
  text "Q2" at 45.52,59.985 h1.5 r90
  text "Q4" at 150.295,59.985 h1.5 r90
  text "Time set" at 82.115,56.175 h0.7
  text "ON" at 91.005,56.175 h0.7
  text "5V" at 97.355,56.175 h0.7
  text "GND" at 101.8,56.175 h0.7
  text "Mux ctrl" at 106.88,56.175 h0.7
  text "VBAT" at 12.265,54.27 h0.7
  text "GND" at 17.98,54.27 h0.7
  text "Clock_core / Nixie clock V4.1" at 50.8,53.131 h1.5
  text "+BAT" at 101.8,34.49 h1
  text "BAT" at 91.24,31.315 h1 r90
  text "-BAT" at 101.8,28.775 h1
  text "USB" at 91.24,23.06 h1 r90
  text "+USB" at 101.8,23.06 h1
  text "-USB" at 101.8,17.345 h1
  text "Time set" at 82.115,5.915 h0.7
  text "ON" at 91.005,5.915 h0.7
  text "5V" at 97.355,5.915 h0.7
  text "GND" at 101.8,5.915 h0.7
  text "VBAT" at 12.265,4.01 h0.7
  text "GND" at 17.98,4.01 h0.7
  text "Clock_contr / Nixie clock V4.1" at 50.8,2.871 h1.5
Bottom Overlay:
  lines w0.254: 84.455,28.575 89.535,28.575 ; 84.455,19.685 89.535,19.685 89.535,37.465 84.455,37.465 84.455,19.685
  text "BAT" at 91.24,34.09 h1 r90
  text "USB" at 91.24,25.835 h1 r90
  text "Set time" at 29.01,12.9 h1
  text "Set hor" at 44.25,12.9 h1
  text "Set min" at 59.49,12.9 h1
  text "Set sec" at 74.73,12.9 h1